# Altium PCB RTM_SFP_no-teardrops.PcbDoc (part 2 of 7)
Units mil, origin at the board's own origin, x right, y up, seen from the top; angles counter-clockwise.
Board outline 7185 x 5846.5 mil, 4 copper layers (Top Layer, MidPlane_1, MidPlane_2, Bottom Layer), stack 63.553 mil thick; 389 components, 333 nets, 1578 pads, 1486 vias.
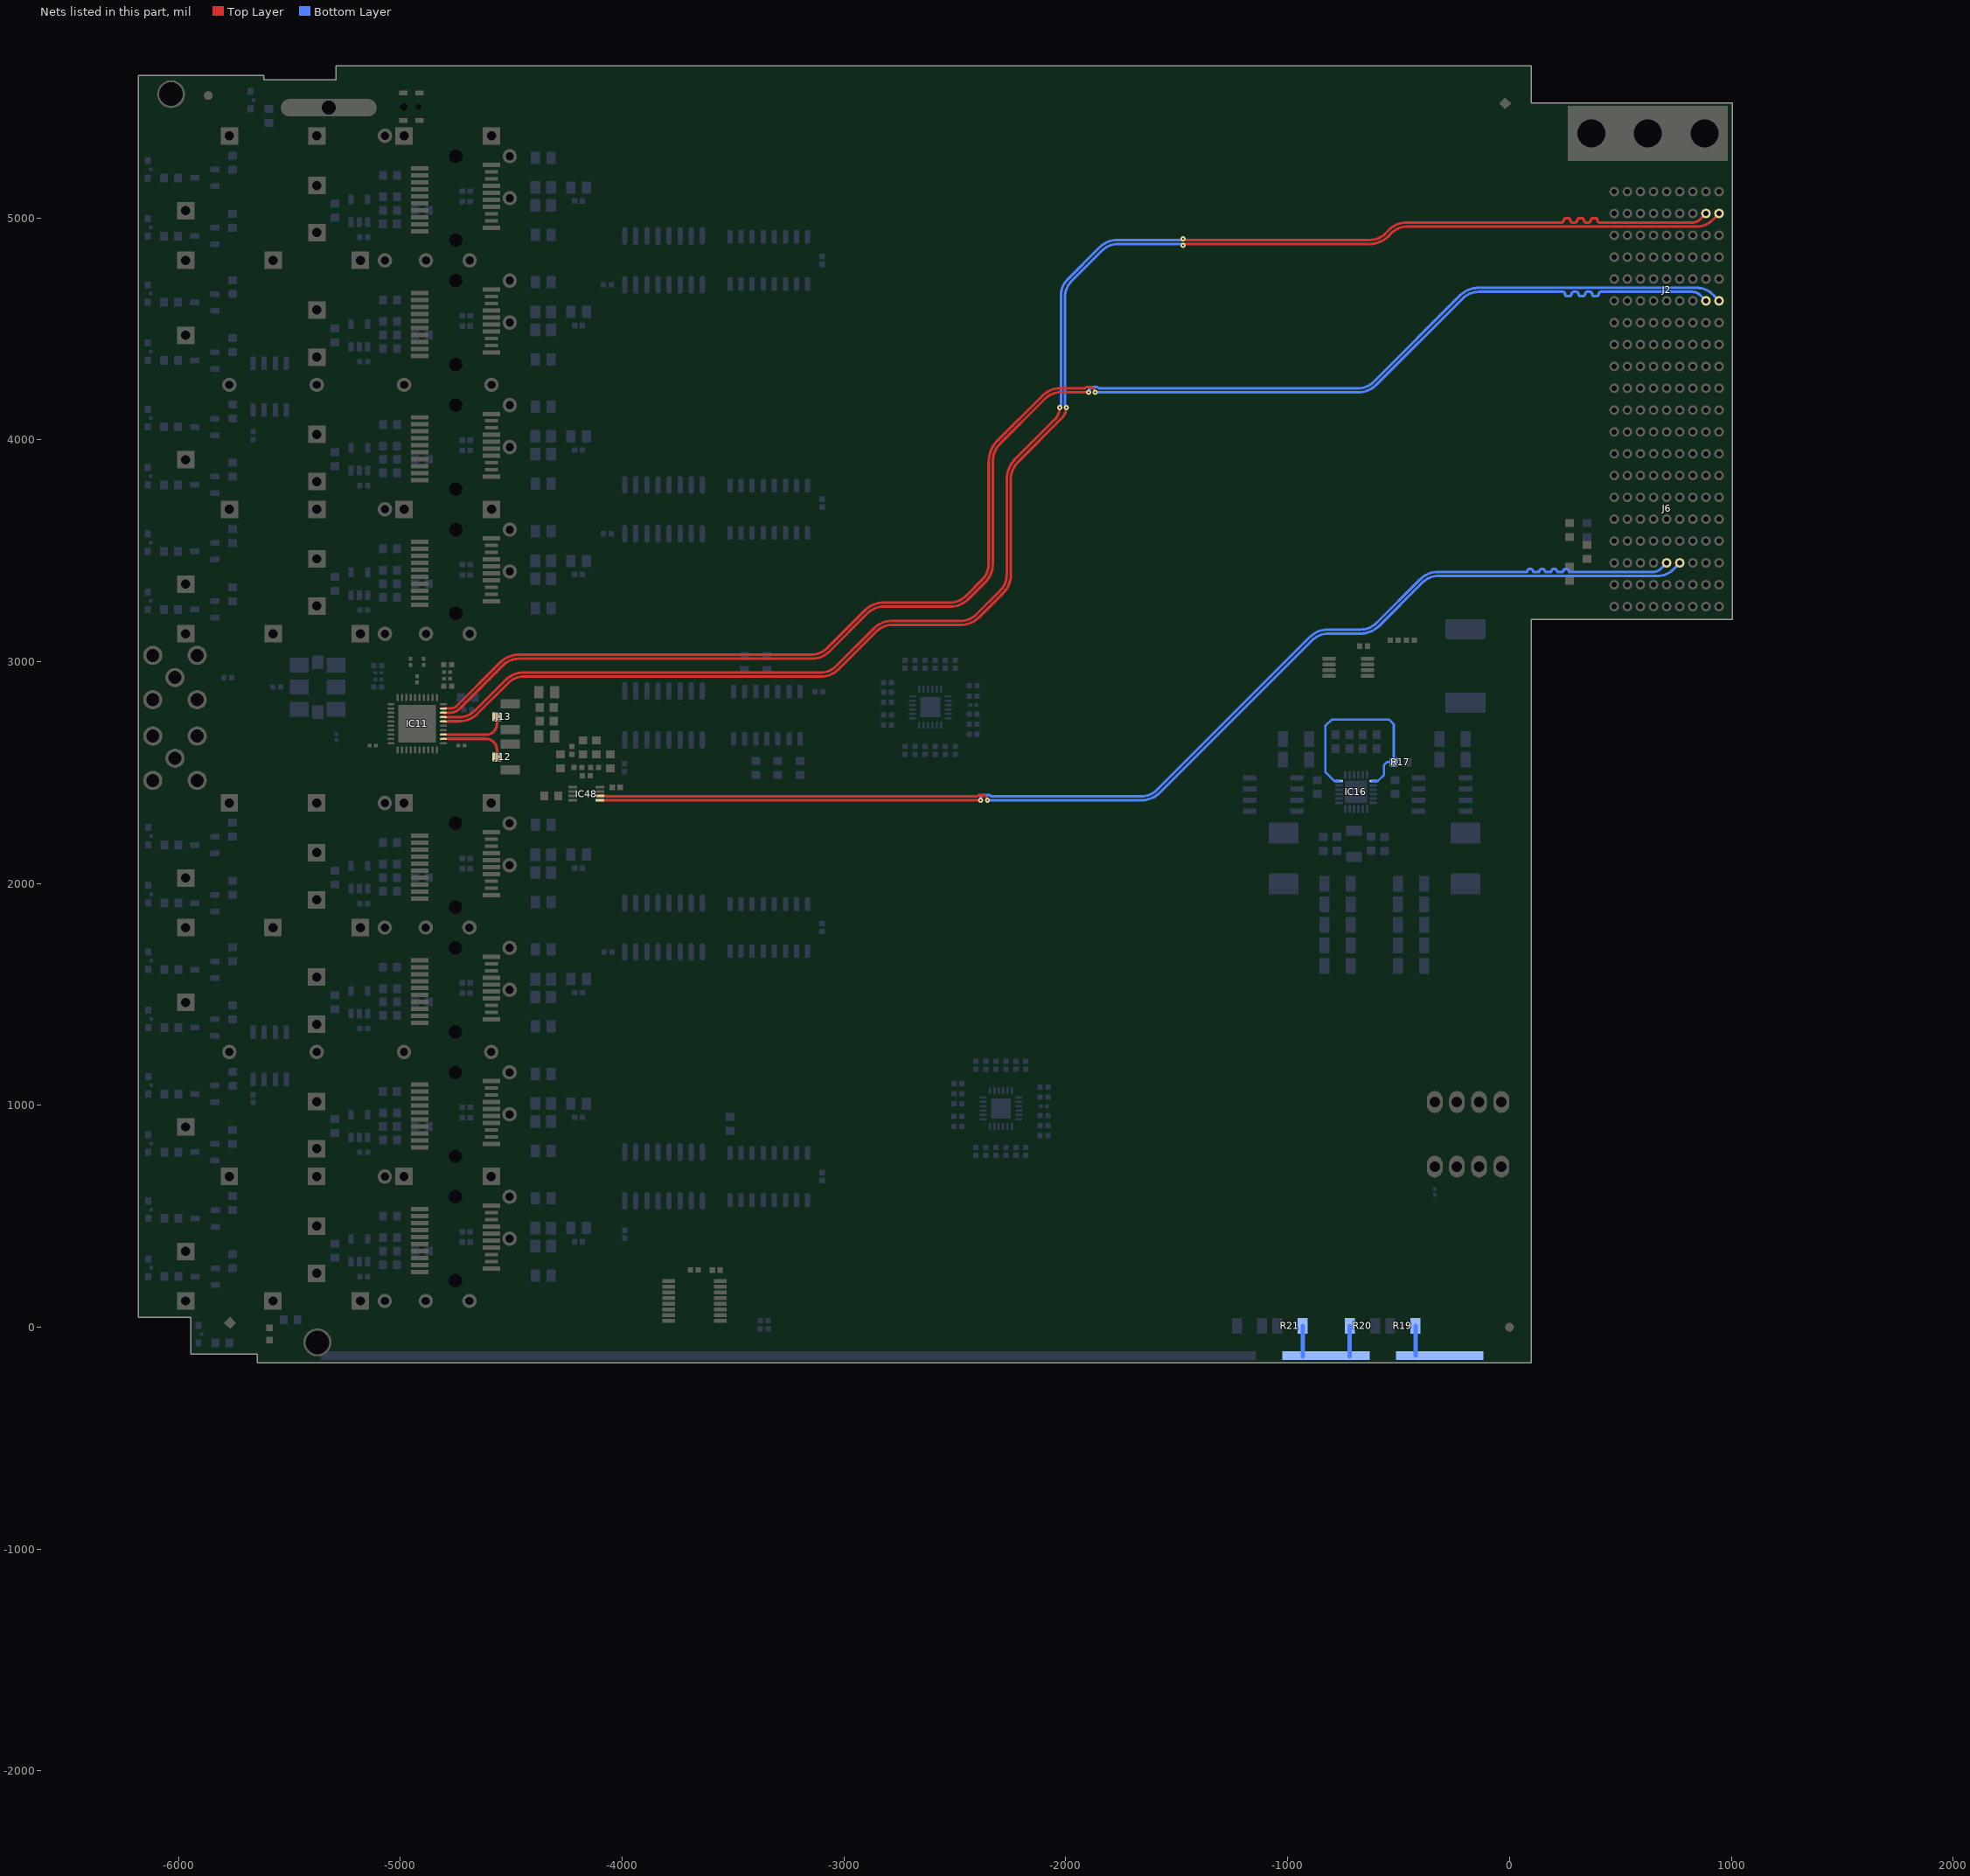
[diagram p4: the nets of this part, all layers, seen from the top]

## Footprints (in the part's own frame and the unit in brackets; to place one, negate y for a bottom-side part, rotate by r counter-clockwise, add the part's x,y. Pads: shape width x height; smd on the part's side, far side on the other; paste and mask are expansions set on the pad) (continued)
TYCO_2007132-1 [mm] "SFP+ 1x4 Press Fit Cage"
  rect 2x2 hole 1.05: 1(-25.9,28.5) 2(-15.9,28.5) 3(-5.9,28.5) 4(4.1,28.5) 5(-15.9,22.825) 6(-30.9,19.925) 7(-15.9,17.425) 8(-30.9,14.25) 9(-20.9,14.25) 10(-10.9,14.25) 11(-15.9,8.575) 12(-30.9,5.675) 13(-15.9,3.175) 14(-15.9,-5.675) 15(-30.9,-8.575) 16(-15.9,-11.075) 17(-25.9,-14.25) 18(-15.9,-14.25) 19(-5.9,-14.25) 20(4.1,-14.25) 21(-15.9,-19.925) 22(-30.9,-22.825) 23(-15.9,-25.325) 24(-30.9,-28.5) 25(-20.9,-28.5) 26(-10.9,-28.5)
  round 1.65 hole 0.95: 27(-8.1,28.5) 28(6.2,26.175) 29(6.2,21.375) 30(-8.1,14.25) 31(-3.4,14.25) 32(1.6,14.25) 33(6.2,11.925) 34(6.2,7.125) 35(-25.9,0) 36(-15.9,0) 37(-5.9,0) 38(4.1,0) 39(6.2,-2.325) 40(6.2,-7.125) 41(-8.1,-14.25) 42(6.2,-16.575) 43(6.2,-21.375) 44(-8.1,-28.5) 45(-3.4,-28.5) 46(1.6,-28.5)
  silkscreen extent -42.4,-29.52 6.57,29.52, body extent -42.4,-29.52 6.57,29.53, height 10.59
TYCO_6469183-1 [mm] "60 Positions, Pitch 2.5mm,  Advanced TCA, Z-PACK HM-Zd BackPlane Press Fit Header"
  round 1.1 hole 0.6: A1(6,-11.25) A2(6,-8.75) A3(6,-6.25) A4(6,-3.75) A5(6,-1.25) A6(6,1.25) A7(6,3.75) A8(6,6.25) A9(6,8.75) A10(6,11.25) B1(4.5,-11.25) B2(4.5,-8.75) B3(4.5,-6.25) B4(4.5,-3.75) B5(4.5,-1.25) B6(4.5,1.25) B7(4.5,3.75) B8(4.5,6.25) B9(4.5,8.75) B10(4.5,11.25) BG1(3,-11.25) BG2(3,-8.75) BG3(3,-6.25) BG4(3,-3.75) BG5(3,-1.25) BG6(3,1.25) BG7(3,3.75) BG8(3,6.25) BG9(3,8.75) BG10(3,11.25) C1(1.5,-11.25) C2(1.5,-8.75) C3(1.5,-6.25) C4(1.5,-3.75) C5(1.5,-1.25) C6(1.5,1.25) C7(1.5,3.75) C8(1.5,6.25) C9(1.5,8.75) C10(1.5,11.25) D1(0,-11.25) D2(0,-8.75) D3(0,-6.25) D4(0,-3.75) D5(0,-1.25) D6(0,1.25) D7(0,3.75) D8(0,6.25) D9(0,8.75) D10(0,11.25) DG1(-1.5,-11.25) DG2(-1.5,-8.75) DG3(-1.5,-6.25) DG4(-1.5,-3.75) DG5(-1.5,-1.25) DG6(-1.5,1.25) DG7(-1.5,3.75) DG8(-1.5,6.25) DG9(-1.5,8.75) DG10(-1.5,11.25) E1(-3,-11.25) E2(-3,-8.75) E3(-3,-6.25) E4(-3,-3.75) E5(-3,-1.25) E6(-3,1.25) E7(-3,3.75) E8(-3,6.25) E9(-3,8.75) E10(-3,11.25) F1(-4.5,-11.25) F2(-4.5,-8.75) F3(-4.5,-6.25) F4(-4.5,-3.75) F5(-4.5,-1.25) F6(-4.5,1.25) F7(-4.5,3.75) F8(-4.5,6.25) F9(-4.5,8.75) F10(-4.5,11.25) FG1(-6,-11.25) FG2(-6,-8.75) FG3(-6,-6.25) FG4(-6,-3.75) FG5(-6,-1.25) FG6(-6,1.25) FG7(-6,3.75) FG8(-6,6.25) FG9(-6,8.75) FG10(-6,11.25)
  silkscreen extent -6.65,-12 23.35,12.9, body extent -6.65,-12 23.35,12.9, height 13.31
US8 [mm] "SOP, 0.50mm pitch; 8 pin, 2.30mm W X 2.00mm L X 0.90mm H body, PC Medium Density"
  rect 1x0.3 smd: 1(-1.55,0.75) 2(-1.55,0.25) 3(-1.55,-0.25) 4(-1.55,-0.75) 5(1.55,-0.75) 6(1.55,-0.25) 7(1.55,0.25) 8(1.55,0.75)
  silkscreen extent -1.82,-1 0.8,1.52, body extent -1.62,-1 1.62,1, height 0.9

## Part data
C1 C2 C3 C4 C5 C6 C7 C8 C16 C17 C18 C19 C20 C21 C22 C23 C25 C26 C27 C186A C186B C186C C186D C186E C186F C186G C186H C202A C202B C202C C202D C202E C202F C202G C202H C214A C214B C214C C214D C214E C214F C214G C214H C228A C228B C228C C228D C228E C228F C228G C228H: library part CC0402_100NF_16V_10%_X7R, "Non-polarised capacitor"
C9 C10 C12 C14: library part CC1206_10UF_16V_10%_X7R, "Non-polarised capacitor"
C11 C280: library part CC0603_100NF_50V_10%_X7R, "Non-polarised capacitor"
C13A C13B C13C C13D C13E C13F C13G C13H C24 C219A C219B C219C C219D C219E C219F C219G C219H C220A C220B C220C C220D C220E C220F C220G C220H C390: library part CC0805_10UF_10V_10%_X7R, "Non-polarised capacitor"
C15 C176 C179 C180 C181 C182 C207 C208 C209 C210 C213: library part CC1206_22UF_10V_10%_X7R, "Non-polarised capacitor"
C84 C386: library part CC0603_1UF_16V_10%_X7R, "Non-polarised capacitor"
C391 C392 C393 C394 C395 C396 C397 C399 C400 C401 C402 C403 C404: library part CC0201_100NF_6.3V_10%_X5R, "Non-polarised capacitor"
Cage1 Cage2: library part TYCO_2007132-1, "SFP+  1x4 Cage (46 Pins)"
CON4 CON11: library part CON_4_2.54_key
F1: library part FUSR_TYCO_SMD150F-2, "Fuse"
FTG1 FTG3 FTG5 FTG7: library part FIDUCIAL_TARGET_S100-200, "Fiducial Target"
FTG2 FTG4 FTG6 FTG8: library part FIDUCIAL_TARGET_C100-200, "Fiducial Target"
IC1: "Hex Inverter"
IC2 IC5 IC7 IC9: "8-Bit Parallel-In/Serial Out Shift Register"
IC3 IC4 IC6 IC8 IC10: library part 4094, "shift register"
IC11: library part CLOCK_CDCLVD1212, "Low Jitter, 2-Input Selectable 1:12 Universal-to-LVDS Buffer"
IC12 IC13: library part SENS_LM75, "I2C temperature sensor"
IC14: library part PCA9554D, "8-bit I2C-bus SMBus I/O port with interrupt"
IC15: "64K I2C Serial EEPROM"
IC16: "Dual Synchronous Step-Down Controller For Low Voltage Power Rails"
IC20A IC20B IC20C IC20D IC20E IC20F IC20G IC20H: "High-Speed Differential Line Receiver"
IC39 IC40: library part IIC_MUX_MAX7357ETG+, "8-channel I2C-bus multiplexer with reset, INT and timeout"
IC48: library part IFC_FIN1101K8X, "LVDS TO LVDS repeater3.3V"
J1: library part TYCO_1469265-1, "Single Pin Male"
J2 J6: library part TYCO_6469183-1, "Connector 60 ATCA Male 30 Pairs (60 Signals) + 3x10 Ground"
J3 J4: library part HUBER-SUHNER_85_SMA-50-0-101/111_NE
J5A J5B J5C J5D J5E J5F J5G J5H: library part TYCO_1888247-1, "20 Position SFP+ Connector (Small Form-factor Pluggable)"
J12 J13: library part HIROSE_U.FL-R-SMT-1(10)
L1 L2: library part IND2525_1.5UH_20%_VISHAY_IHLP-2525CZ, "Inductor With Magnetic core"
L5A L5B L5C L5D L5E L5F L5G L5H L11A L11B L11C L11D L11E L11F L11G L11H: library part IND0805_MURATA_BLM21PG221SN1D, "Inductor"
L19 L20: library part IND0603_TDK_MPZ1608R391A, "Inductor"
LD1A LD1B LD1C LD1D LD1E LD1F LD1G LD1H LDx: library part LED_AVAGO_HSME-C120, "LED Green 1C 2A"
LD2A LD2B LD2C LD2D LD2E LD2F LD2G LD2H: library part LED_AVAGO_HSMC-C120, "LED Red 1C 2A"
LDy: library part LED_AVAGO_HSME-C120, "LED BLUE"
LED17: library part LED_0603R, "LED 0603 red"
OSC1: library part OSC_10-280MHZ_SILICON-LAB_Si570BBC000121DG, "Any-Rate I2C Programmable XO Oscillator Si570 Serie"
PB1: library part SW_C&K_HDT0001, "Push-Button Switch SPDT"
R1A R1B R1C R1D R1E R1F R1G R1H R7 R8 R9 R11A R11B R11C R11D R11E R11F R11G R11H: library part R0603_330R_1%_0.1W_100PPM, "Resistor - 1%"
R2 R3 R4 R5 R6 R13 R105A R105B R105C R105D R105E R105F R105G R105H R109A R109B R109C R109D R109E R109F R109G R109H: library part R0603_100R_1%_0.1W_100PPM, "Resistor - 1%"
R10A R10B R10C R10D R10E R10F R10G R10H R12A R12B R12C R12D R12E R12F R12G R12H R400A R400B R400C R400D R400E R400F R400G R400H R403A R403B R403C R403D R403E R403F R403G R403H R404A R404B R404C R404D R404E R404F R404G R404H: library part R0603_10K_1%_0.1W_100PPM, "Resistor - 1%"
R14 R15 R16 R28 R29 R30 R31 R32 R311 R316 R317 R318 R319 R320 R321 R322 R323 R324 R325 R326 R327 R328 R329 R330 R331 R332 R333 R334 R335 R336 R337 R338 R339 R340 R341 R342 R343 R344 R345 R346 R347 R348 R349 R350 R351 R352 R353 R354 R355 R356 R357: library part R0402_10K_1%_0.0625W_100PPM, "Resistor - 1%"
R17 R195: library part R0603_6K8_1%_0.1W_100PPM, "Resistor - 1%"
R18 R54: library part R0603_1K3_1%_0.1W_100PPM, "Resistor - 1%"
R19 R20 R21 R22: library part R1206_1M_1%_0.25W_100PPM, "Resistor - 1%"
R23 R24 R25 R26 R27 R33 R34 R35 R36 R246: library part R0603_5K1_1%_0.1W_100PPM, "Resistor - 1%"
R53 R391: library part R0603_4K3_1%_0.1W_100PPM, "Resistor - 1%"
R107A R107B R107C R107D R107E R107F R107G R107H: library part R0603_0R_JUMPER, "Resistor - 1%"
R211: library part RES_0402, "SMD Resistor"
R248: library part R0603_3K_1%_0.1W_100PPM, "Resistor - 1%"
R312 R313 R314 R315: library part R0402_49R9_1%_0.0625W_100PPM, "Resistor - 1%"
T1A T1B T1C T1D T1E T1F T1G T1H T2A T2B T2C T2D T2E T2F T2G T2H: "N-CHANNEL MOSFET WITH DIODE"
T5 T6: "Dual SO-8 MOSFET For POL Cconverter"

## Free pads (board coordinates)
  oval 433.07x78.74 hole 62.99 slot 417.32 at 0 deg: 0(-5322.89,5496.51)
  rect 393.7x39.37 smd far side paste-100000 mask+10: ESD_STRIP_SEGMENT_1(-826.79,-128.49) ESD_STRIP_SEGMENT_2(-314.98,-128.49)
  rect 4218.11x39.37 smd far side paste-100000 mask+10: ESD_STRIP_SEGMENT_3(-3250.84,-128.49)
  round 125.98 hole 106.3: MH1(-6033.52,5557.54)
  round 125.98 hole 106.3 unplated: MH2(-5374.07,-68.45)

## Via types
v1: diameter 23.62, hole 7.87, Top Layer to Bottom Layer, tented both sides, 1401 vias
v2: diameter 27.56, hole 11.81, Top Layer to Bottom Layer, tented both sides, 59 vias
v3: diameter 25.98, hole 12.99, Top Layer to Bottom Layer, tented top, 24 vias
v4: diameter 23.62, hole 11.81, Top Layer to Bottom Layer, tented both sides, 2 vias

## Nets (pads, with @x,y where several pads share a name; then routed paths per layer and width w, separated by ;. In a path a pad name is that pad's centre, name@x,y a point inside that pad or via, vN(x,y) a via of type N, cw(c..) or ccw(c..) an arc to the next point about the centre after c; other vN are vias at no path point)
CLK_EXT_N: IC48.5 J6.D3 | length 5306.4
  Top Layer w12: IC48.5@-4100.39,2374.41 -4074.43,2374.41 -4073.65,2375.2 v1(-2383.56,2375.2)
  Bottom Layer w12: v1(-2383.56,2375.2) -2383.56,2389.47 -2374.02,2399.01 -2343.77,2399.01 -2337.96,2393.2 -1659.25,2393.2 ccw(c-1659.25,2493.2) -1588.54,2422.49 -900.91,3110.11 cw(c-818.11,3027.32) -818.11,3144.41 -671.14,3144.41 ccw(c-671.14,3244.41) -600.43,3173.7 -404.36,3369.77 cw(c-320.92,3286.32) -320.92,3404.33 79.7,3404.33 cw(c93.2,3404.33) 106.7,3404.33 133.7,3404.33 cw(c147.2,3404.33) 160.7,3404.33 187.7,3404.33 cw(c201.2,3404.33) 214.7,3404.33 241.7,3404.33 cw(c255.2,3404.33) 268.7,3404.33 647.2,3404.33 ccw(c647.2,3454.8) 682.89,3419.11 J6.D3@708.66,3444.88
CLK_EXT_P: IC48.6 J6.C3 | length 5304.5
  Top Layer w12: IC48.6@-4100.39,2394.09 -4074.43,2394.09 -4073.54,2393.2 -2399.23,2393.2 -2393.42,2399.01 -2377.45,2399.01 cw(c-2377.45,2375.2) v1(-2353.64,2375.2)
  Bottom Layer w12: v1(-2353.64,2375.2) -1658.8,2375.2 ccw(c-1658.8,2492.12) -1576.12,2409.44 -888.45,3097.12 cw(c-817.74,3026.41) -817.74,3126.41 -671.12,3126.41 ccw(c-671.12,3244.35) -587.72,3160.95 -391.63,3357.04 cw(c-320.92,3286.33) -320.92,3386.33 667.74,3386.33 ccw(c667.74,3486.33) 738.45,3415.62 J6.C3@767.72,3444.88
EN_DC_DC: IC16.7 IC16.24 R17.2 | length 940.3
  Bottom Layer w10: IC16.24@-768.11,2461.81 -788.98,2461.81 -830.31,2503.15 -830.31,2709.45 -800.39,2739.37 -543.7,2739.37 -521.65,2717.32 R17.2@-521.65,2547.24 -552.76,2547.24 -565.75,2534.25 -565.75,2489.76 -593.7,2461.81 IC16.7@-614.57,2461.81
ESD1: pad.ESD_STRIP_SEGMENT_2 R19.1 | length 134.7
  Bottom Layer w19.68: pad.ESD_STRIP_SEGMENT_2@-423.24,-128.35 R19.1@-423.24,6.35
ESD2: pad.ESD_STRIP_SEGMENT_1 R20.2 R21.1 | length 277.6
  Bottom Layer w19.68: pad.ESD_STRIP_SEGMENT_1@-932.1,-132.43 R21.1@-932.1,6.35 ; pad.ESD_STRIP_SEGMENT_1@-720.49,-132.43 R20.2@-720.49,6.35
EXT_CLK1_OUT_N: IC11.33 J13.1 | length 301.9
  Top Layer w10: IC11.33@-4806.3,2670.87 -4785.41,2670.87 -4784.57,2670.02
  Top Layer w12: -4784.57,2670.02 -4614.55,2670.02 ccw(c-4614.55,2719.27) -4579.73,2684.45 ccw(c-4615.85,2720.57) -4564.76,2720.57 J13.1@-4564.76,2751.57
EXT_CLK1_OUT_P: IC11.32 J12.1 | length 302.2
  Top Layer w10: IC11.32@-4806.3,2651.18 -4785.41,2651.18 -4784.57,2652.02
  Top Layer w12: -4784.57,2652.02 -4614.99,2652.02 cw(c-4614.99,2600.76) -4578.74,2637.01 cw(c-4612.49,2603.26) -4564.76,2603.26 J12.1@-4564.76,2570.47
FPGA_CLK1_N: IC11.39 J2.B5 | length 6855.7
  Top Layer w10: IC11.39@-4806.3,2788.98 -4785.41,2788.98 -4784.57,2788.13
  Top Layer w12: -4784.57,2788.13 -4775.98,2788.13 ccw(c-4775.98,2831.72) -4745.16,2800.9 -4549.41,2996.65 cw(c-4466.5,2913.73) -4466.5,3030.99 -3147.44,3030.99 ccw(c-3147.44,3130.99) -3076.73,3060.28 -2905.62,3231.39 cw(c-2822.67,3148.45) -2822.67,3265.75 -2522,3265.75 ccw(c-2522,3365.75) -2451.28,3295.04 -2376.93,3369.39 ccw(c-2447.64,3440.11) -2347.64,3440.11 -2347.64,3901 cw(c-2213.17,3901) -2308.25,3996.08 -2106.57,4197.76 cw(c-2024.18,4115.37) -2024.18,4231.89 -1913.57,4231.89 -1907.76,4237.7 -1891.79,4237.7 cw(c-1891.79,4213.89) v1(-1867.98,4213.89)
  Bottom Layer w12: v1(-1867.98,4213.89) -682.34,4213.89 ccw(c-682.34,4331.2) -599.39,4248.25 -210.39,4637.25 cw(c-139.68,4566.54) -139.68,4666.54 240.16,4666.54 cw(c240.16,4656.69) 250,4656.69 ; 250,4656.5 ccw(c259.06,4656.5) 259.06,4647.45 270.67,4647.44 ccw(c270.67,4656.5) 279.72,4656.5 cw(c289.76,4656.5) 289.76,4666.54 301.18,4666.54 cw(c301.18,4656.5) 311.22,4656.5 ccw(c320.28,4656.5) 320.28,4647.44 331.89,4647.44 ccw(c331.89,4656.5) 340.94,4656.5 cw(c350.98,4656.5) 350.98,4666.54 362.6,4666.54 cw(c362.6,4656.5) 372.64,4656.5 ccw(c381.69,4656.5) 381.69,4647.44 393.31,4647.44 ccw(c393.31,4656.5) 402.36,4656.5 cw(c412.4,4656.5) 412.2,4666.54 824.37,4666.54 cw(c824.37,4616.06) 860.06,4651.75 J2.B5@885.83,4625.98
FPGA_CLK1_P: IC11.38 J2.A5 | length 6853.7
  Top Layer w10: IC11.38@-4806.3,2769.29 -4785.41,2769.29
  Top Layer w12: -4784.57,2770.13 -4775.04,2770.13 ccw(c-4775.04,2829.43) -4733.11,2787.5 -4536.9,2983.7 cw(c-4466.19,2912.99) -4466.19,3012.99 -3147.14,3012.99 ccw(c-3147.14,3130.28) -3064.21,3047.34 -2893.09,3218.46 cw(c-2822.38,3147.75) -2822.38,3247.75 -2521.98,3247.75 ccw(c-2521.98,3365.71) -2438.57,3282.3 -2363.46,3357.4 ccw(c-2445.12,3439.06) -2329.64,3439.06 -2329.64,3900.36 cw(c-2211.64,3900.36) -2295.08,3983.79 -2094.27,4184.6 cw(c-2023.56,4113.89) -2023.56,4213.89 v1(-1897.9,4213.89)
  Bottom Layer w12: v1(-1897.9,4213.89) cw(c-1874.09,4213.89) -1874.09,4237.7 -1858.11,4237.7 -1852.3,4231.89 -682.63,4231.89 ccw(c-682.63,4331.89) -611.91,4261.18 -223,4650.09 cw(c-139.85,4566.94) -139.85,4684.54 844.91,4684.54 cw(c844.91,4584.54) 915.62,4655.25 J2.A5@944.88,4625.98
FPGA_CLK2_N: IC11.37 J2.B9 | length 7292.3
  Top Layer w10: IC11.37@-4806.3,2749.61 -4785.41,2749.61 -4784.57,2748.76
  Top Layer w12: -4784.57,2748.76 -4735.57,2748.76 ccw(c-4735.57,2848.76) -4664.86,2778.05 -4526.58,2916.33 cw(c-4443.67,2833.42) -4443.67,2950.68 -3106.1,2950.68 ccw(c-3106.1,3050.68) -3035.39,2979.97 -2866.25,3149.11 cw(c-2783.3,3066.16) -2783.3,3183.46 -2474.36,3183.46 ccw(c-2474.36,3283.46) -2403.65,3212.75 -2295.82,3320.58 ccw(c-2366.54,3391.29) -2266.54,3391.29 -2266.54,3818.59 cw(c-2131.47,3818.59) -2226.98,3914.1 -2050.75,4090.33 ccw(c-2105.7,4145.28) v1(-2027.99,4145.28) ; v1(-1471.26,4906.33) -1465.45,4900.52 -629.74,4900.52 ccw(c-629.74,5000.52) -559.03,4929.81 -543.33,4945.52 cw(c-462.16,4864.35) -462.16,4979.13 234.45,4979.13 ccw(c234.25,4989.17) 244.29,4989.17 cw(c254.13,4989.17) 254.13,4999.02 264.17,4999.02 cw(c264.17,4989.17) 274.02,4989.17 ccw(c284.06,4989.17) 284.06,4979.13 295.67,4979.14 ccw(c295.47,4989.17) 305.51,4989.17 cw(c315.35,4989.17) 315.35,4999.02 325.39,4999.02 cw(c325.39,4989.17) 335.24,4989.17 ccw(c345.28,4989.17) 345.28,4979.13 356.89,4979.14 ccw(c356.69,4989.17) 366.73,4989.17 cw(c376.57,4989.17) 376.57,4999.02 386.61,4999.02 cw(c386.61,4989.17) 396.46,4989.17 ccw(c406.5,4989.17) 406.5,4979.13 824.37,4979.13 ccw(c824.37,5029.61) 860.06,4993.92 J2.B9@885.83,5019.69
  Bottom Layer w12: v1(-2027.99,4145.28) -2022.18,4151.09 -2022.18,4651.07 cw(c-1922.18,4651.07) -1992.89,4721.78 -1847.86,4866.81 cw(c-1766.47,4785.43) -1766.47,4900.52 -1477.07,4900.52 v1(-1471.26,4906.33)
FPGA_CLK2_P: IC11.36 J2.A9 | length 7293.8
  Top Layer w10: IC11.36@-4806.3,2729.92 -4785.41,2729.92 -4784.57,2730.76
  Top Layer w12: -4784.57,2730.76 -4735.16,2730.76 ccw(c-4735.16,2847.78) -4652.42,2765.04 -4514.07,2903.39 cw(c-4443.36,2832.68) -4443.36,2932.68 -3104.96,2932.68 ccw(c-3104.96,3047.94) -3023.46,2966.44 -2853.72,3136.18 cw(c-2783.01,3065.46) -2783.01,3165.46 -2474.34,3165.46 ccw(c-2474.34,3283.43) -2390.93,3200.01 -2282.18,3308.76 ccw(c-2363.42,3390) -2248.54,3390 -2248.54,3818.21 cw(c-2130.54,3818.21) -2213.98,3901.64 -2021.19,4094.43 ; -2021.29,4094.52 ccw(c-2066.02,4145.28) v1(-1998.37,4145.28) ; v1(-1471.26,4876.71) -1465.45,4882.52 -629.37,4882.52 ccw(c-629.37,4999.64) -546.56,4916.82 -531.54,4931.84 cw(c-460.83,4861.13) -460.83,4961.13 844.91,4961.13 ccw(c844.91,5061.13) 915.62,4990.42 J2.A9@944.88,5019.69
  Bottom Layer w12: v1(-1998.37,4145.28) -2004.18,4151.09 -2004.18,4643.62 cw(c-1904.18,4643.62) -1974.89,4714.33 -1835.98,4853.23 cw(c-1765.27,4782.52) -1765.27,4882.52 -1477.07,4882.52 v1(-1471.26,4876.71)